# KiCad board Electronics V2.kicad_pcb
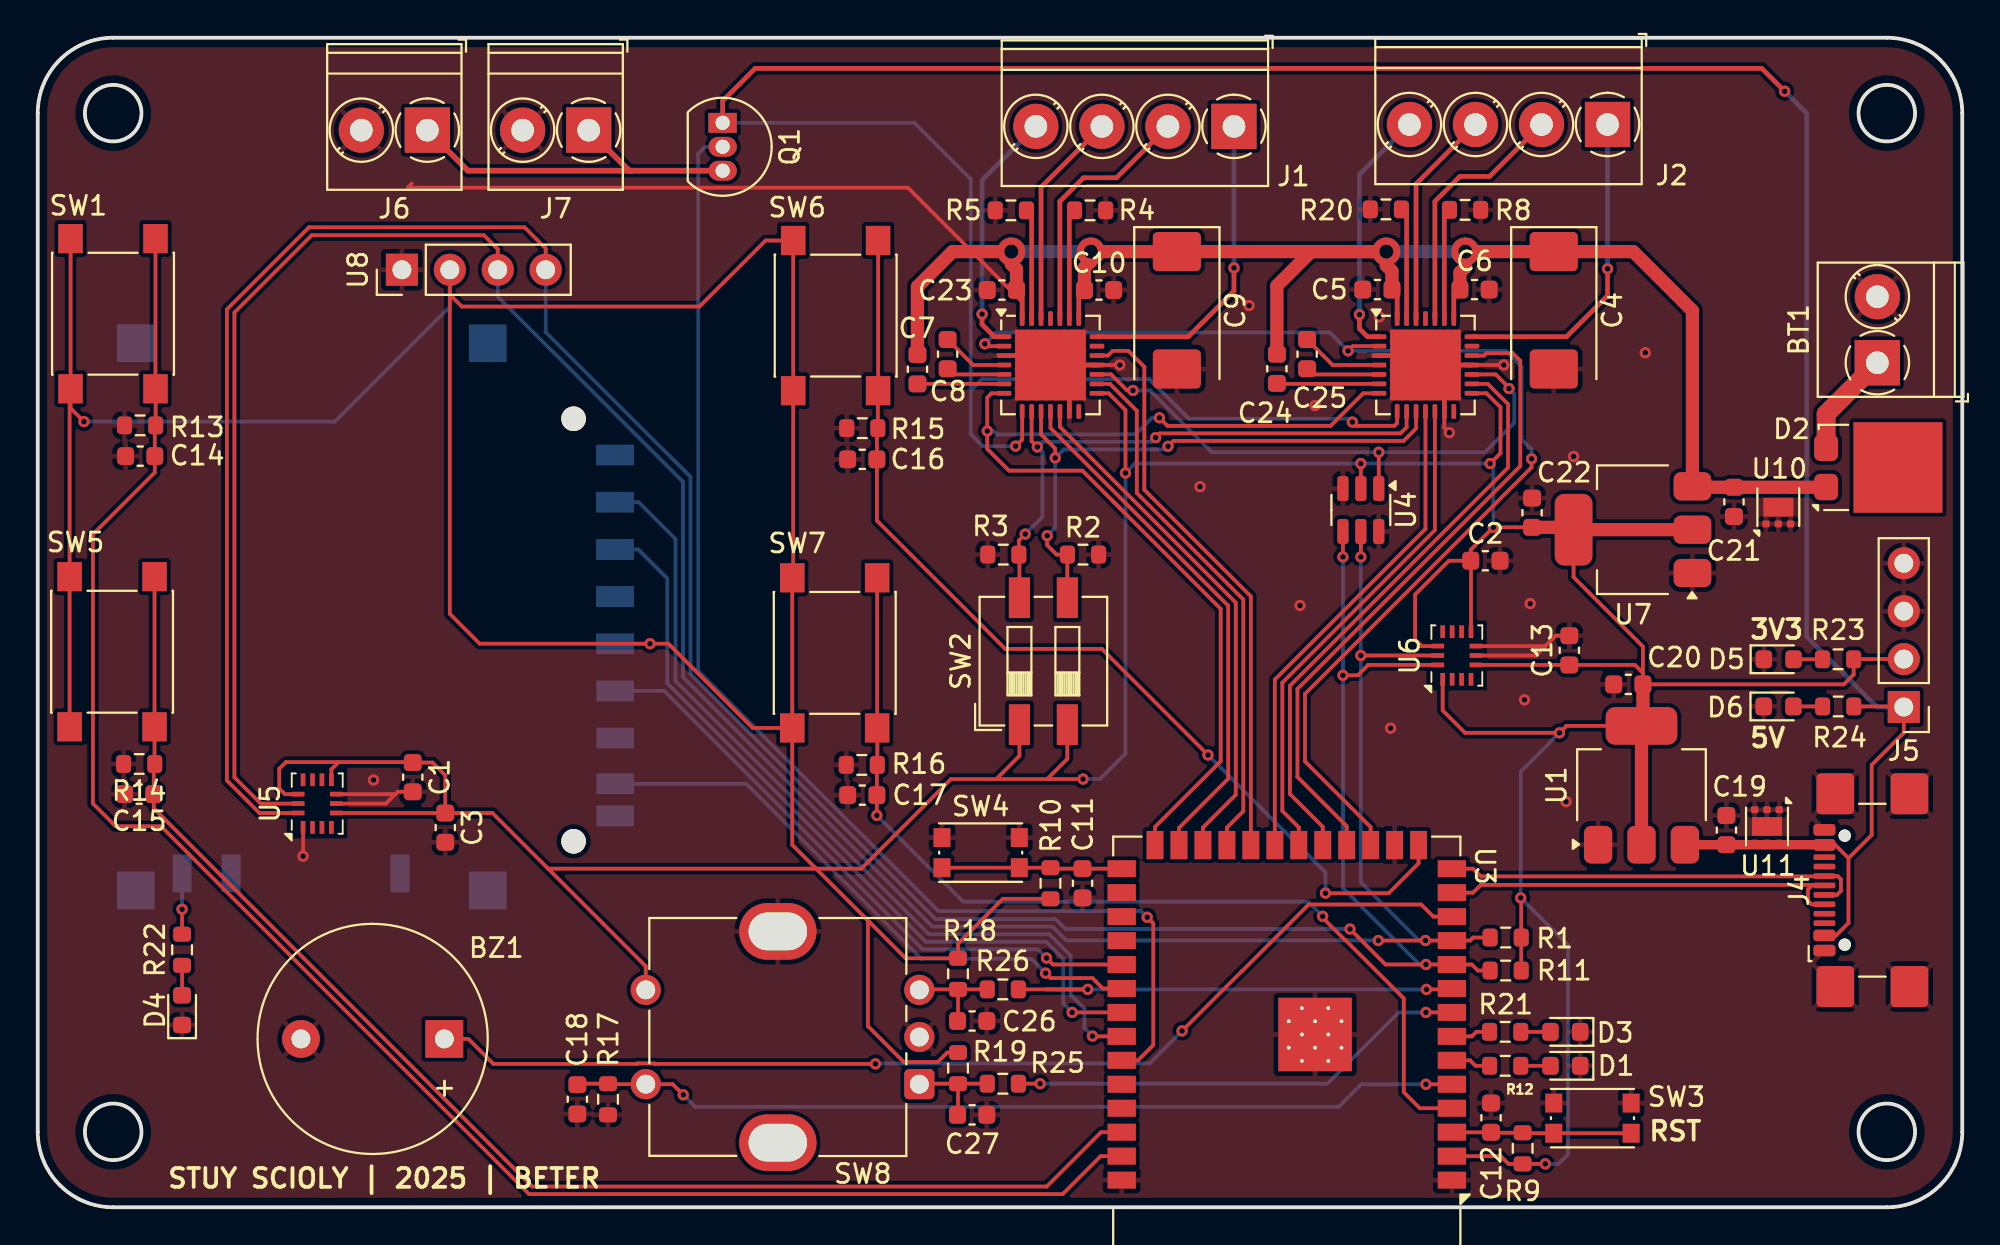
[diagram p0: board, top side]
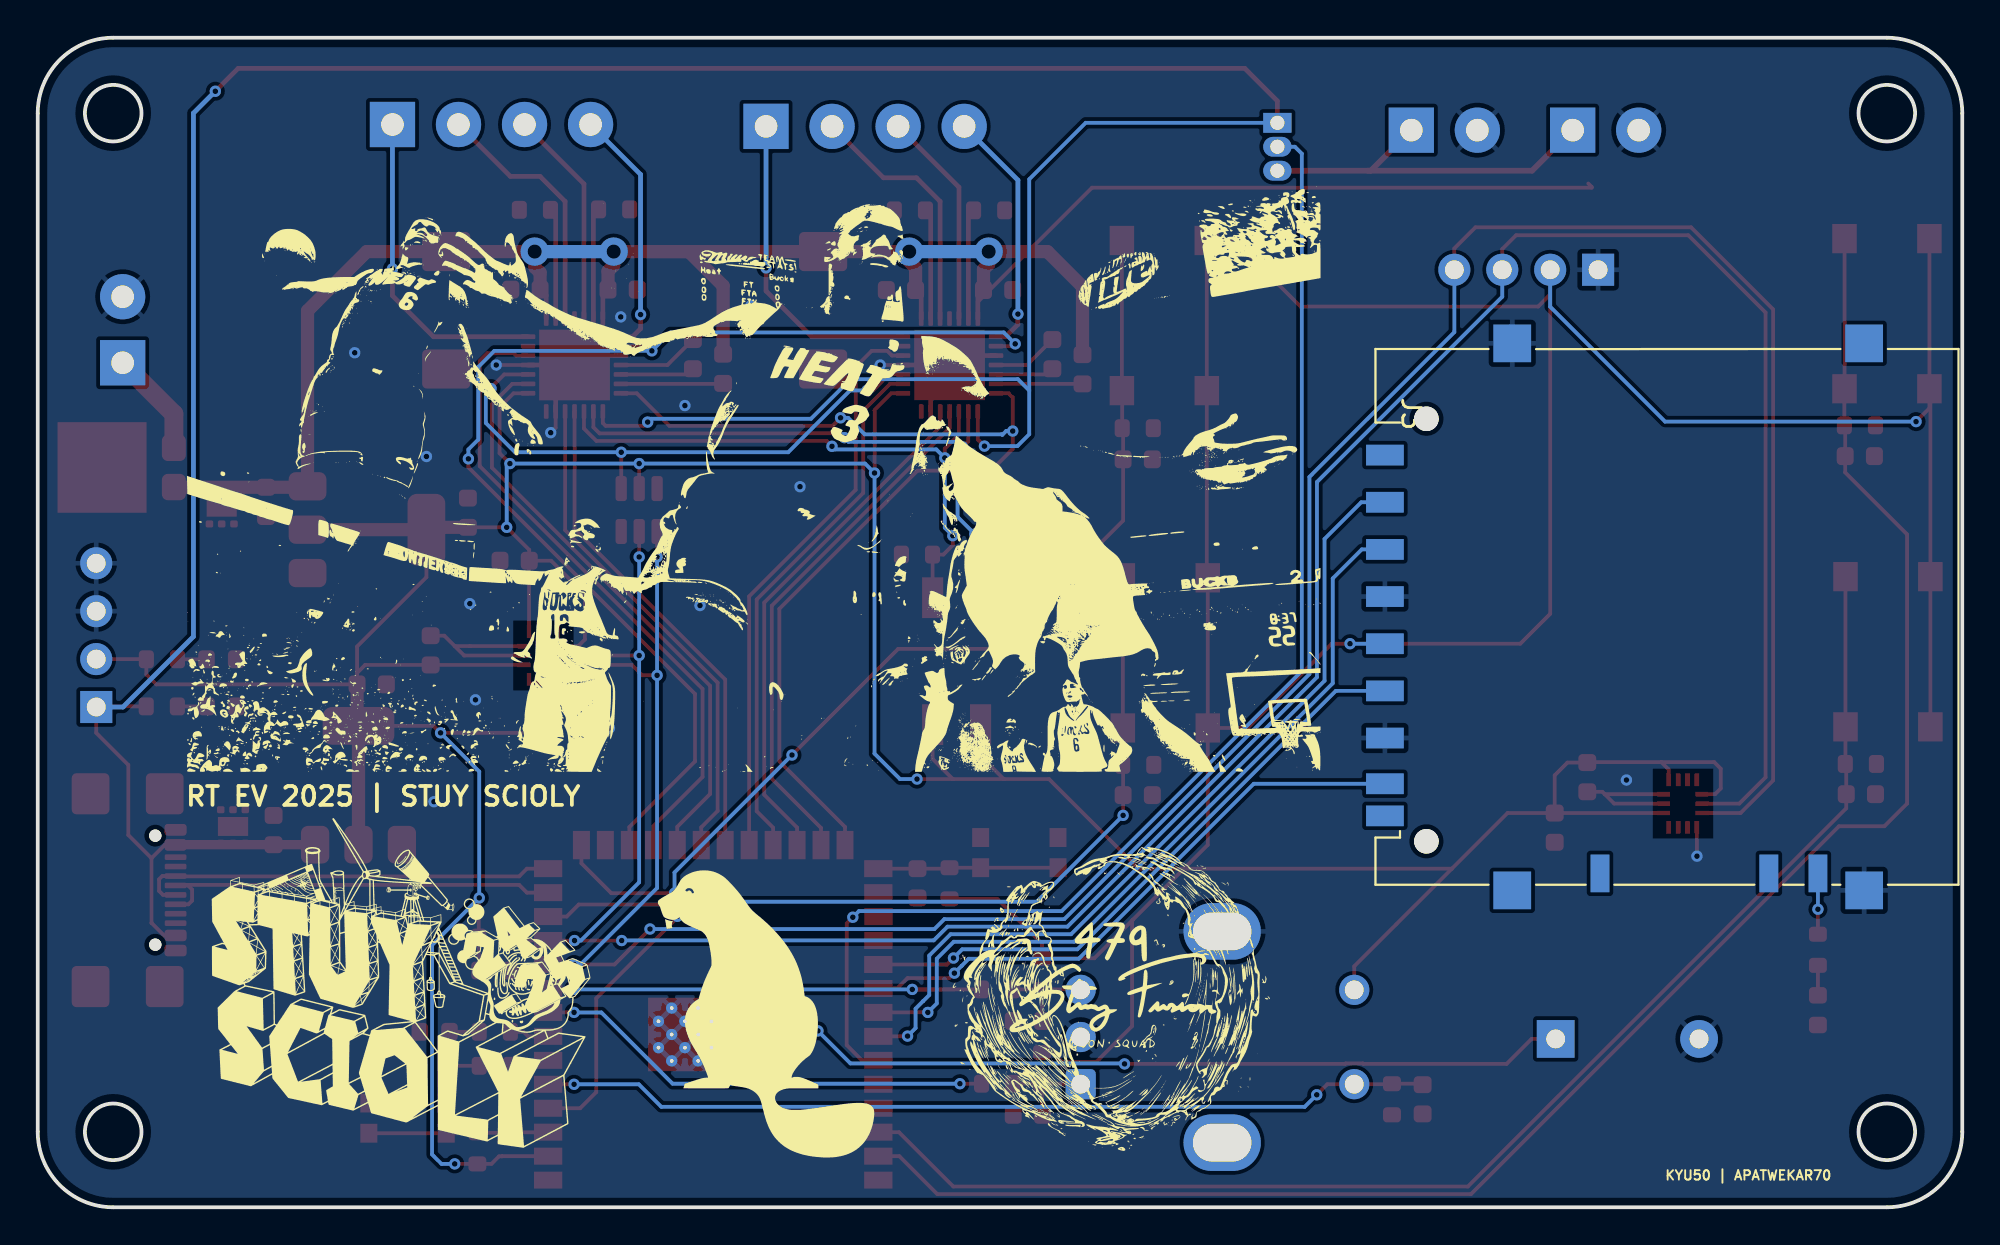
[diagram p1: board, bottom side, seen from below]

Outline 102 x 62 mm; copper layers: Top, Bottom. Coordinates in mm from the lower left corner of the outline.
Outline path: circle c4,58 r1.5 ; circle c4,4 r1.5 ; circle c98,58 r1.5 ; circle c98,4 r1.5 ; 0,58 arc(1.17,60.83) 4,62 98,62 arc(100.83,60.83) 102,58 102,4 arc(100.83,1.17) 98,0 4,0 arc(1.17,1.17) 0,4 0,58

## Placement (name value [footprint] x y rotation side)
BT1  Battery  [TerminalBlock_Phoenix_PT-1,5-2-3.5-H_1x02_P3.50mm_Horizontal]  97.5 44.77 90 top
BZ1  Buzzer  [Buzzer_12x9.5RM7.6]  21.55 8.92 180 top
C1  100n  [C_0603_1608Metric]  19.88 22.8 270 top
C2  100n  [C_0603_1608Metric]  76.72 34.28 0 top
C3  100n  [C_0603_1608Metric]  21.6 20.12 270 top
C4  100u  [CP_EIA-7343-30_AVX-N]  80.35 47.55 270 top
C5  100n  [C_0603_1608Metric]  71 48.65 180 top
C6  100n  [C_0603_1608Metric]  76.15 48.65 0 top
C7  100n  [C_0603_1608Metric]  46.62 44.42 270 top
C8  22n  [C_0603_1608Metric]  48.22 45.22 270 top
C9  100u  [CP_EIA-7343-30_AVX-N]  60.38 47.55 270 top
C10  100n  [C_0603_1608Metric]  56.25 48.62 0 top
C11  100n  [C_0603_1608Metric]  55.38 17.17 270 top
C12  100n  [C_0603_1608Metric]  77.03 4.75 90 top
C13  100n  [C_0603_1608Metric]  81.18 29.53 90 top
C14  100n  [C_0603_1608Metric]  5.43 39.82 180 top
C15  100n  [C_0603_1608Metric]  5.38 21.9 180 top
C16  100n  [C_0603_1608Metric]  43.7 39.65 180 top
C17  100n  [C_0603_1608Metric]  43.7 21.85 180 top
C18  100n  [C_0603_1608Metric]  28.6 5.72 270 top
C19  10u  [C_0603_1608Metric]  89.5 20 90 top
C20  10u  [C_0603_1608Metric]  84.3 27.72 180 top
C21  10u  [C_0603_1608Metric]  89.9 37.39 270 top
C22  10u  [C_0603_1608Metric]  79.2 36.82 90 top
C23  100n  [C_0603_1608Metric]  51.1 48.62 180 top
C24  100n  [C_0603_1608Metric]  65.68 44.45 270 top
C25  22n  [C_0603_1608Metric]  67.28 45.22 270 top
C26  10n  [C_0603_1608Metric]  49.53 9.88 0 top
C27  10n  [C_0603_1608Metric]  49.53 4.9 0 top
D1  STATUS_LED  [LED_0603_1608Metric]  80.96 7.5 180 top
D2  D_Schottky  [TO-277A]  97.55 39.22 90 top
D3  LED_0  [LED_0603_1608Metric]  80.96 9.3 180 top
D4  LED_SD  [LED_0603_1608Metric]  7.65 10.45 90 top
D5  LED_3V3  [LED_0603_1608Metric]  92.27 29.05 0 top
D6  LED_5V  [LED_0603_1608Metric]  92.26 26.55 0 top
G***  -  [LOGO]  63.33 10.26 180 bottom
G***#2  -  [LOGO]  82.8 11.85 180 bottom
G***#3  -  [LOGO]  45.11 11.43 180 bottom
G***#4  -  [LOGO]  64.05 38.85 180 bottom
J1  MOT_L  [TerminalBlock_Phoenix_PT-1,5-4-3.5-H_1x04_P3.50mm_Horizontal]  63.4 57.3 180 top
J2  MOT_R  [TerminalBlock_Phoenix_PT-1,5-4-3.5-H_1x04_P3.50mm_Horizontal]  83.2 57.4 180 top
J3  SD_Card  [SD_Hirose_DM1AA_SF_PEJ82]  15.65 31.3 90 bottom
J4  USB_C_Receptacle_USB2.0_14P  [USB_C_Receptacle_GCT_USB4110]  98.38 16.81 90 top
J5  Power Probes  [PinHeader_1x04_P2.54mm_Vertical]  98.9 26.52 180 top
J6  L1  [TerminalBlock_Phoenix_PT-1,5-2-3.5-H_1x02_P3.50mm_Horizontal]  20.65 57.1 180 top
J7  L2  [TerminalBlock_Phoenix_PT-1,5-2-3.5-H_1x02_P3.50mm_Horizontal]  29.2 57.1 180 top
Q1  BC547  [TO-92_Inline]  36.3 57.49 270 top
R1  10k  [R_0603_1608Metric]  77.8 14.3 180 top
R2  10k  [R_0603_1608Metric]  55.4 34.6 0 top
R3  10k  [R_0603_1608Metric]  51.18 34.6 180 top
R4  330m  [R_0603_1608Metric]  55.78 52.85 0 top
R5  330m  [R_0603_1608Metric]  51.57 52.85 180 top
R8  330m  [R_0603_1608Metric]  75.65 52.88 0 top
R9  10k  [R_0603_1608Metric]  78.7 3.12 90 top
R10  10k  [R_0603_1608Metric]  53.68 17.17 90 top
R11  10k  [R_0603_1608Metric]  77.8 12.55 180 top
R12  1k  [R_0603_1608Metric]  77.78 7.5 180 top
R13  10k  [R_0603_1608Metric]  5.42 41.45 180 top
R14  10k  [R_0603_1608Metric]  5.38 23.5 180 top
R15  10k  [R_0603_1608Metric]  43.7 41.3 180 top
R16  10k  [R_0603_1608Metric]  43.68 23.45 180 top
R17  10k  [R_0603_1608Metric]  30.22 5.72 270 top
R18  10k  [R_0603_1608Metric]  48.78 12.38 270 top
R19  10k  [R_0603_1608Metric]  48.78 7.38 270 top
R20  330m  [R_0603_1608Metric]  71.45 52.9 180 top
R21  1k  [R_0603_1608Metric]  77.78 9.3 180 top
R22  1k  [R_0603_1608Metric]  7.65 13.65 90 top
R23  1k  [R_0603_1608Metric]  95.42 29.05 0 top
R24  1.5k  [R_0603_1608Metric]  95.43 26.55 0 top
R25  10k  [R_0603_1608Metric]  51.15 6.55 0 top
R26  10k  [R_0603_1608Metric]  51.15 11.55 0 top
SW1  BTN_0  [SW_SPST_PTS645]  3.99 47.37 90 top
SW2  MSTP_SEL  [SW_DIP_SPSTx02_Slide_6.7x6.64mm_W6.73mm_P2.54mm_LowProfile_JPin]  53.3 28.95 90 top
SW3  RST  [SW_Push_1P1T_NO_CK_KMR2]  82.4 4.72 0 top
SW4  BOOT  [SW_Push_1P1T_NO_CK_KMR2]  49.97 18.8 0 top
SW5  BTN_1  [SW_SPST_PTS645]  3.94 29.45 90 top
SW6  BTN_2  [SW_SPST_PTS645]  42.29 47.27 90 top
SW7  BTN_3  [SW_SPST_PTS645]  42.24 29.39 90 top
SW8  INCR_0  [RotaryEncoder_Bourns_Vertical_PEC12R-3x17F-Sxxxx]  46.72 6.53 180 top
U1  NCP1117-3.3_SOT223  [SOT-223-3_TabPin2]  85 22.37 90 top
U2  TMC2209  [QFN-28-1EP_5x5mm_P0.5mm_EP3.75x3.75mm]  53.68 44.65 0 top
U3  -  [ESP32-S3-WROOM-1]  66.2 6.7 180 top
U4  DAC081C081CIMK  [SOT-23-6]  70.12 36.96 270 top
U5  IMU_L  [Bosch_LGA-14_3x2.5mm_P0.5mm]  14.81 21.4 90 top
U6  IMU_R  [Bosch_LGA-14_3x2.5mm_P0.5mm]  75.21 29.25 90 top
U7  NCP1117-3.3_SOT223  [SOT-223-3_TabPin2]  84.55 35.92 180 top
U8  SSD1036  [PinHeader_1x04_P2.54mm_Vertical]  19.3 49.7 90 top
U9  TMC2209  [QFN-28-1EP_5x5mm_P0.5mm_EP3.75x3.75mm]  73.55 44.65 0 top
U10  TVS1400DRV  [WSON-6-1EP_2x2mm_P0.65mm_EP1x1.6mm]  92.25 37.11 90 top
U11  TVS1400DRV  [WSON-6-1EP_2x2mm_P0.65mm_EP1x1.6mm]  91.65 20.19 270 top

## Library data of the parts
BZ1 = -: Description: Buzzer, polarized; ki_fp_filters: *Buzzer*
C1-C3 C5-C7 C10-C18 C23 C24 C26 C27 = -: Description: Unpolarized capacitor; ki_fp_filters: C_*
C4 C9 = -: Description: Polarized capacitor; ki_fp_filters: CP_*
C8 C25 = -: Description: Unpolarized capacitor, small symbol; ki_fp_filters: C_*
C19-C22 = -: ki_fp_filters: CP_*
D1 D3-D6 = -: Description: Light emitting diode; ki_fp_filters: LED* LED_SMD:* LED_THT:*
D2 = -: Description: Schottky diode; ki_fp_filters: TO-???* *_Diode_* *SingleDiode* D_*
J1 J2 = -: Description: Generic screw terminal, single row, 01x04, script generated (kicad-library-utils/schlib/autogen/connector/); ki_fp_filters: TerminalBlock*:*
J3 = -: Datasheet: http://portal.fciconnect.com/Comergent//fci/drawing/10067847.pdf; Description: SD Card Reader; ki_fp_filters: SD*
J4 = -: Datasheet: https://www.usb.org/sites/default/files/documents/usb_type-c.zip; Description: USB 2.0-only 14P Type-C Receptacle connector; ki_fp_filters: USB*C*Receptacle*
J5 = -: Description: Generic connector, single row, 01x04, script generated; ki_fp_filters: Connector*:*_1x??_*
J6 J7 = -: Description: Generic screw terminal, single row, 01x02, script generated (kicad-library-utils/schlib/autogen/connector/); ki_fp_filters: TerminalBlock*:*
Q1 = -: Datasheet: https://www.onsemi.com/pub/Collateral/BC550-D.pdf; Description: 0.1A Ic, 45V Vce, Small Signal NPN Transistor, TO-92; ki_fp_filters: TO?92*
R1-R5 R8-R26 = -: Description: Resistor; ki_fp_filters: R_*
SW1 SW3-SW7 = -: Description: Push button switch, generic, two pins
SW2 = -: Description: 2x DIP Switch, Single Pole Single Throw (SPST) switch, small symbol; ki_fp_filters: SW?DIP?x2*
SW8 = -: Description: Rotary encoder, dual channel, incremental quadrate outputs, with switch; ki_fp_filters: RotaryEncoder*Switch*
U1 U7 = -: Datasheet: http://www.onsemi.com/pub_link/Collateral/NCP1117-D.PDF; ki_fp_filters: SOT?223*TabPin2*
U2 U9 = -: Datasheet: https://www.digikey.com/en/products/detail/analog-devices-inc-maxim-integrated/TMC2209-LA-T/10232491
U3 = -: Datasheet: https://www.espressif.com/sites/default/files/documentation/esp32-s3-wroom-1_wroom-1u_datasheet_en.pdf; Description: RF Module, ESP32-S3 SoC, Wi-Fi 802.11b/g/n, Bluetooth, BLE, 32-bit, 3.3V, onboard antenna, SMD; ki_fp_filters: ESP32?S3?WROOM?1*
U4 = -: Datasheet: http://www.ti.com/lit/ds/symlink/dac081c081.pdf; Description: 8-bit Micropower DAC with I2C-Compatible Interface, SOT-23-6; ki_fp_filters: SOT?23*
U5 U6 = -: Datasheet: https://www.bosch-sensortec.com/media/boschsensortec/downloads/datasheets/bst-bmi270-ds000.pdf
U10 U11 = -: Datasheet: http://www.ti.com/lit/ds/symlink/tvs1400.pdf; Description: Flat-Clamp Surge Protection Device. 14Vrwm, WSON-6; ki_fp_filters: WSON*1EP*2x2mm*P0.65mm*EP1x1.6mm*

## Footprints (pads in the part's own frame, mm; a bottom-side part is the same pattern mirrored in y, then rotated)
Bosch_LGA-14_3x2.5mm_P0.5mm
  rect 0.675x0.25 smd: 1(-1.262,0.75) 2(-1.262,0.25) 3(-1.262,-0.25) 4(-1.262,-0.75) 8(1.262,-0.75) 9(1.262,-0.25) 10(1.262,0.25) 11(1.262,0.75)
  rect 0.25x0.675 smd: 5(-0.5,-1.012) 6(0,-1.012) 7(0.5,-1.012) 12(0.5,1.012) 13(0,1.012) 14(-0.5,1.012)
Buzzer_12x9.5RM7.6
  rect 2x2 hole 1: 1(0,0)
  round 2 hole 1: 2(7.6,0)
C_0603_1608Metric
  rrect 0.9x0.95 smd: 1(-0.775,0) 2(0.775,0)
CP_EIA-7343-30_AVX-N
  rrect 2.075x2.55 smd: 1(-3.112,0) 2(3.112,0)
ESP32-S3-WROOM-1
  rect 0.9x0.9 smd: (-2.9,-1.06) (-2.9,-2.46) (-2.9,-3.86) (-1.5,-1.06) (-1.5,-2.46) (-1.5,-3.86) (-0.1,-1.06) (-0.1,-2.46) (-0.1,-3.86)
  rect 1.5x0.9 smd: 1(-8.75,5.26) 2(-8.75,3.99) 3(-8.75,2.72) 4(-8.75,1.45) 5(-8.75,0.18) 6(-8.75,-1.09) 7(-8.75,-2.36) 8(-8.75,-3.63) 9(-8.75,-4.9) 10(-8.75,-6.17) 11(-8.75,-7.44) 12(-8.75,-8.71) 13(-8.75,-9.98) 14(-8.75,-11.25) 27(8.75,-11.25) 28(8.75,-9.98) 29(8.75,-8.71) 30(8.75,-7.44) 31(8.75,-6.17) 32(8.75,-4.9) 33(8.75,-3.63) 34(8.75,-2.36) 35(8.75,-1.09) 36(8.75,0.18) 37(8.75,1.45) 38(8.75,2.72) 39(8.75,3.99) 40(8.75,5.26)
  rect 0.9x1.5 smd: 15(-6.985,-12.5) 16(-5.715,-12.5) 17(-4.445,-12.5) 18(-3.175,-12.5) 19(-1.905,-12.5) 20(-0.635,-12.5) 21(0.635,-12.5) 22(1.905,-12.5) 23(3.175,-12.5) 24(4.445,-12.5) 25(5.715,-12.5) 26(6.985,-12.5)
  round 0.6 hole 0.2: 41(-2.9,-1.76) 41(-2.9,-3.16) 41(-2.2,-1.06) 41(-2.2,-2.46) 41(-2.2,-3.86) 41(-1.5,-1.76) 41(-1.5,-3.16) 41(-0.8,-1.06) 41(-0.8,-2.46) 41(-0.8,-3.86) 41(-0.1,-1.76) 41(-0.1,-3.16)
  rect 3.9x3.9 smd: 41(-1.5,-2.46)
LED_0603_1608Metric
  rrect 0.875x0.95 smd: 1(-0.787,0) 2(0.787,0)
PinHeader_1x04_P2.54mm_Vertical
  rect 1.7x1.7 hole 1: 1(0,0)
  oval 1.7x1.7 hole 1: 2(0,-2.54) 3(0,-5.08) 4(0,-7.62)
QFN-28-1EP_5x5mm_P0.5mm_EP3.75x3.75mm
  rrect 1.01x1.01 smd: (-1.25,1.25) (-1.25,0) (-1.25,-1.25) (0,1.25) (0,0) (0,-1.25) (1.25,1.25) (1.25,0) (1.25,-1.25)
  rrect 0.775x0.25 smd: 1(-2.462,1.5) 2(-2.462,1) 3(-2.462,0.5) 4(-2.462,0) 5(-2.462,-0.5) 6(-2.462,-1) 7(-2.462,-1.5) 15(2.462,-1.5) 16(2.462,-1) 17(2.462,-0.5) 18(2.462,0) 19(2.462,0.5) 20(2.462,1) 21(2.462,1.5)
  rrect 0.25x0.775 smd: 8(-1.5,-2.462) 9(-1,-2.462) 10(-0.5,-2.462) 11(0,-2.462) 12(0.5,-2.462) 13(1,-2.462) 14(1.5,-2.462) 22(1.5,2.462) 23(1,2.462) 24(0.5,2.462) 25(0,2.462) 26(-0.5,2.462) 27(-1,2.462) 28(-1.5,2.462)
  rect 3.75x3.75 smd: 29(0,0)
R_0603_1608Metric
  rrect 0.8x0.95 smd: 1(-0.825,0) 2(0.825,0)
RotaryEncoder_Bourns_Vertical_PEC12R-3x17F-Sxxxx
  rrect 1.6x1.6 hole 1: A(0,0)
  round 1.6 hole 1: B(0,-5) C(0,-2.5) S1(14.5,0) S2(14.5,-5)
  oval 4.1x3 hole 3.1x2: GND(7.5,3.1) SH(7.5,-8.1)
SD_Hirose_DM1AA_SF_PEJ82
  round 1.3 hole 1.3 unplated: (-11.9,12.75) (10.5,12.75)
  rect 1.1x2 smd: 1(6.075,14.95) 2(3.575,14.95) 3(1.075,14.95) 4(-1.425,14.95) 5(-3.925,14.95) 6(-6.425,14.95) 7(-8.85,14.95) 8(-10.55,14.95) 9(8.575,14.95)
  rect 2x1 smd: CP(-13.6,3.55) SW(-13.6,-8) WP(-13.6,-5.4)
  rect 2x2 smd: SH(-14.5,-10.45) SH(-14.5,8.2) SH(14.5,-10.45) SH(14.5,8.2)
SOT-23-6
  rrect 1.325x0.6 smd: 1(-1.137,0.95) 2(-1.137,0) 3(-1.137,-0.95) 4(1.137,-0.95) 5(1.137,0) 6(1.137,0.95)
SOT-223-3_TabPin2
  rrect 2x1.5 smd: 1(-3.15,2.3) 2(-3.15,0) 3(-3.15,-2.3)
  rrect 2x3.8 smd: 2(3.15,0)
SW_DIP_SPSTx02_Slide_6.7x6.64mm_W6.73mm_P2.54mm_LowProfile_JPin
  rect 2.16x1.12 smd: 1(-3.365,1.27) 2(-3.365,-1.27) 3(3.365,-1.27) 4(3.365,1.27)
SW_Push_1P1T_NO_CK_KMR2
  rect 0.9x1 smd: 1(-2.05,0.8) 1(2.05,0.8) 2(-2.05,-0.8) 2(2.05,-0.8)
SW_SPST_PTS645
  rect 1.55x1.3 smd: 1(-3.98,2.25) 1(3.98,2.25) 2(-3.98,-2.25) 2(3.98,-2.25)
TerminalBlock_Phoenix_PT-1,5-2-3.5-H_1x02_P3.50mm_Horizontal
  rect 2.4x2.4 hole 1.2: 1(0,0)
  round 2.4 hole 1.2: 2(3.5,0)
TerminalBlock_Phoenix_PT-1,5-4-3.5-H_1x04_P3.50mm_Horizontal
  rect 2.4x2.4 hole 1.2: 1(0,0)
  round 2.4 hole 1.2: 2(3.5,0) 3(7,0) 4(10.5,0)
TO-92_Inline
  rect 1.05x1.5 hole 0.75: 1(0,0)
  oval 1.05x1.5 hole 0.75: 2(1.27,0) 3(2.54,0)
TO-277A
  rrect 1.25x1.2 smd: (-1.7,0.65) (-1.7,-1.04) (-1.7,-2.7) (0,0.65) (0,-1.04) (0,-2.7) (1.7,0.65) (1.7,-1.04) (1.7,-2.7)
  rrect 1.4x1.27 smd: 1(-1.04,2.765) 2(1.04,2.765)
  rect 4.8x4.72 smd: 3(0,-1.04)
USB_C_Receptacle_GCT_USB4110
  round 0.65 hole 0.65 unplated: (-2.89,2.605) (2.89,2.605)
  rrect 0.6x1.15 smd: A1(-3.2,3.68) A4(-2.4,3.68) A9(2.4,3.68) A12(3.2,3.68) B1(3.2,3.68) B4(2.4,3.68) B9(-2.4,3.68) B12(-3.2,3.68)
  rrect 0.3x1.15 smd: A5(-1.25,3.68) A6(-0.25,3.68) A7(0.25,3.68) A8(1.25,3.68) B5(1.75,3.68) B6(0.75,3.68) B7(-0.75,3.68) B8(-1.75,3.68)
  rrect 2.18x2 smd: S1(-5.11,3.105) S1(-5.11,-0.825) S1(5.11,3.105) S1(5.11,-0.825)
WSON-6-1EP_2x2mm_P0.65mm_EP1x1.6mm
  rrect 0.81x0.64 smd: (0,0.4) (0,-0.4)
  rrect 0.375x0.4 smd: 1(-0.887,0.65) 2(-0.887,0) 3(-0.887,-0.65) 4(0.887,-0.65) 5(0.887,0) 6(0.887,0.65)
  rect 1x1.6 smd: 7(0,0)

## Nets
+3V3: C1.1 C2.1 C3.1 C13.1 C20.1 C22.1 J3.4 J5.2 R1.1 R9.1 R10.1 R11.1 R18.1 R19.1 R23.2 SW1.1 SW2.1 SW2.2 SW5.1 SW6.1 SW7.1 SW8.S2 U1.2 U2.15 U3.2 U4.2 U5.5 U5.8 U5.12 U6.1 U6.5 U6.8 U6.12 U7.2 U8.2 U9.15
+5V: C19.1 J4.A4 J4.A9 J4.B4 J4.B9 J5.1 Q1.1 R24.2 U1.3 U2.8 U9.8 U11.4 U11.5 U11.6
GND: BT1.2 BZ1.2 C1.2 C2.2 C3.2 C4.2 C5.2 C6.2 C9.2 C10.2 C11.2 C12.2 C13.2 C14.2 C15.2 C16.2 C17.2 C18.2 C19.2 C20.2 C21.2 C22.2 C23.2 C26.2 C27.2 D1.1 D3.1 D4.1 D5.1 D6.1 J3.3 J3.6 J3.SH J4.A1 J4.A12 J4.B1 J4.B12 J4.S1 J5.3 J5.4 J6.2 J7.2 R2.2 R3.2 R4.2 R5.2 R8.2 R13.2 R14.2 R15.2 R16.2 R17.2 R20.2 SW3.1 SW4.1 SW8.C SW8.SH U1.1 U2.3 U2.13 U2.18 U2.29 U3.1 U3.16 U3.40 U3.41 U4.3 U4.6 U5.1 U5.6 U5.7 U6.6 U6.7 U7.1 U8.1 U9.3 U9.13 U9.18 U9.29 U10.1 U10.2 U10.3 U10.7 U11.1 U11.2 U11.3 U11.7
VBAT: C4.1 C5.1 C6.1 C7.1 C9.1 C10.1 C21.1 C23.1 C24.1 D2.1 U2.22 U2.28 U7.3 U9.22 U9.28 U10.4 U10.5 U10.6
/BTN_0: C14.1 R13.1 SW1.2 U3.39
/BTN_1: C15.1 R14.1 SW5.2 U3.38
/BTN_2: C16.1 R15.1 SW6.2 U3.15
/BTN_3: C17.1 R16.1 SW7.2 U3.4
/BUZZER: BZ1.1 U3.12
/CS_SD: J3.1 U3.34
/D+: J4.A6 J4.B6 U3.14
/D-: J4.A7 J4.B7 U3.13
/DIAG_L: U2.11 U3.25
/DIAG_R: U3.21 U9.11
/DIR_L: U2.19 U3.22
/DIR_R: U3.18 U9.19
/INCR_A: R25.2 U3.8
/INCR_B: R26.2 U3.9
/INCR_BTN: C18.1 R17.1 SW8.S1 U3.5
/INDEX_L: U2.12 U3.24
/INDEX_R: U3.20 U9.12
/LASER: Q1.2 U3.35
/MISO: J3.7 U3.32
/MOSI: J3.2 U3.33
/Motor Driver_L/A1: J1.2 U2.24
/Motor Driver_L/A2: J1.1 U2.21
/Motor Driver_L/B1: J1.3 U2.26
/Motor Driver_L/B2: J1.4 U2.1
/Motor Driver_L/MS1_AD0: R3.1 SW2.4 U2.9 U9.9
/Motor Driver_L/MS1_AD1: R2.1 SW2.3 U2.10 U9.10
/Motor Driver_R/A1: J2.2 U9.24
/Motor Driver_R/A2: J2.1 U9.21
/Motor Driver_R/B1: J2.3 U9.26
/Motor Driver_R/B2: J2.4 U9.1
/SCL: R1.2 U3.11 U4.5 U5.13 U6.13 U8.3
/SCLK: J3.5 U3.31
/SD_DETECT: J3.SW R22.2
/SDA: R11.2 U3.10 U4.4 U5.14 U6.14 U8.4
/SPREAD: U2.7 U3.26 U9.7
/STEP_L: U2.16 U3.23
/STEP_R: U3.19 U9.16
/VREF: U2.17 U4.1 U9.17
/~{EN}: U2.2 U3.17 U9.2
Net-(BT1-+): BT1.1 D2.2
Net-(C26-Pad1): C26.1 R18.2 R26.1 SW8.B
Net-(C27-Pad1): C27.1 R19.2 R25.1 SW8.A
Net-(D1-A): D1.2 R12.1
Net-(D3-A): D3.2 R21.1
Net-(D4-A): D4.2 R22.1
Net-(D5-A): D5.2 R23.1
Net-(D6-A): D6.2 R24.1
Net-(J6-Pin_1): J6.1 J7.1 Q1.3
Net-(U2-BRA): R4.1 U2.23
Net-(U2-BRB): R5.1 U2.27
Net-(U2-CPI): C8.2 U2.5
Net-(U2-CPO): C8.1 U2.4
Net-(U2-VCP): C7.2 U2.6
Net-(U3-EN): C12.1 R9.2 SW3.2 U3.3
Net-(U3-IO0): C11.1 R10.2 SW4.2 U3.27
Net-(U3-IO6): R12.2 U3.6
Net-(U3-IO7): R21.2 U3.7
Net-(U9-BRA): R8.1 U9.23
Net-(U9-BRB): R20.1 U9.27
Net-(U9-CPI): C25.2 U9.5
Net-(U9-CPO): C25.1 U9.4
Net-(U9-VCP): C24.2 U9.6

Pads without a net: D2 3; J3 8 9 CP WP; J4 A5 A8 B5 B8; SW8 GND; U2 14 20 25; U3 28 29 30 36 37; U5 2 3 4 9 10 11; U6 2 3 4 9 10 11; U9 14 20 25

## Via types
v1: diameter 1.5, hole 0.75, Top to Bottom, 4 vias
v2: diameter 0.6, hole 0.3, Top to Bottom, 73 vias

## Routing (per net, layer and track width the routed paths; a pad name or vN(x,y) marks a point on that pad's centre or on a via; arc(x,y) is an arc through that point)
+3V3: length 414.7
  Top w0.2: C3.1 24.1,20.9 27.05,17.95 ; C3.1 21.6,22.9 20.92,23.58 C1.1 19.85,23.6 15.95,23.6 ; C3.1 U5.5 ; U4.2 v2(70.12,39.42) ; v2(55.4,22.7) 53.5,22.7 ; 53.5,22.7 54.57,23.77 54.57,25.58 ; 53.5,22.7 50.8,22.7 ; 50.8,22.7 52.03,23.93 52.03,25.58 ; 50.8,22.7 48.4,22.7 43.65,17.95 41.25,17.95 ; 15.95,23.6 15.56,23.21 U5.8 ; 15.95,23.6 13.15,23.6 12.8,23.25 12.8,22.2 13.1,21.9 U5.12 ; SW1.1 SW1.1 ; SW1.1 1.74,42.36 v2(2.45,41.65) ; SW1.1 1.69,43.34 SW5.1 SW5.1 ; 41.25,17.95 39.99,19.21 SW7.1 ; 41.25,17.95 43.95,15.25 ; 41.25,17.95 27.05,17.95 ; SW8.S2 32.22,12.78 27.05,17.95 ; U6.1 74.46,26.34 75.65,25.15 v2(80.65,25.15) 81.02,25.52 U1.2 ; U2.15 56.76,43.15 57.65,42.26 v2(57.65,38.92) ; 21.84,48.39 U8.2 21.84,31.46 23.42,29.88 v2(32.45,29.88) 33.43,29.88 37.89,25.41 SW7.1 ; 21.84,48.39 22.47,47.75 35.07,47.75 38.57,51.25 SW6.1 SW6.1 40.04,33.74 39.99,33.69 SW7.1 SW7.1 ; 21.84,48.39 21.89,48.34 ; J5.2 96.25,29.06 R23.2 96.24,28.24 95.72,27.72 C20.1 ; U3.2 77.39,2.71 77.4,2.7 77.55,2.7 77.95,2.3 R9.1 v2(79.9,2.3) ; C20.1 85.07,28.33 84.65,28.75 C13.1 U6.5 ; C20.1 85.07,29.72 81.4,33.4 U7.2 ; R11.1 R1.1 78.62,16.38 v2(78.6,16.4) ; 48.5,7.92 R19.1 48.2,8.2 47.7,7.7 45.9,7.7 44,9.6 44,15.2 43.95,15.25 ; C2.1 74.79,34.28 73,32.48 73,30.1 73.35,29.75 U6.12 ; C2.1 75.96,34.26 U6.8 ; C2.1 75.95,34.85 v2(77.15,36.05) C22.1 ; 43.95,15.25 46,13.2 R18.1 48.78,13.97 51.15,16.35 R10.1 ; U9.15 76.78,43.15 77.53,42.41 77.53,39.97 v2(76.97,39.42)
  Top w0.7: C20.1 85.07,25.59 U1.2 U1.2 ; C22.1 81.28,36.05 U7.2 U7.2
  Bottom w0.2: v2(77.15,36.05) 77.15,39.25 v2(76.97,39.42) v2(70.12,39.42) 58.15,39.42 v2(57.65,38.92) 57.65,24.05 56.3,22.7 v2(55.4,22.7) ; U8.2 21.84,47.74 15.75,41.65 v2(2.45,41.65) ; v2(80.65,25.15) 78.6,23.1 v2(78.6,16.4) 81.1,13.9 81.1,2.8 80.6,2.3 v2(79.9,2.3) ; J3.4 v2(32.45,29.88)
+5V: length 177.7
  Top w0.2: U9.8 72.05,41.58 71.9,41.42 69.88,41.42 v2(69.68,41.62) ; U2.8 52.18,40.7 v2(51.82,40.35) ; 95.97,18.5 95.26,19.21 J4.A9 94.11,19.21 ; 95.97,18.5 97.2,19.73 97.2,23.45 98.9,25.15 J5.1 98.87,26.55 R24.2 ; 95.97,18.5 95.97,15.07 95.97,15.07 95.31,14.41 J4.A4
  Top w0.25: Q1.1 36.3,58.65 38.03,60.38 91.38,60.38 v2(92.59,59.16)
  Top w0.5: U1.3 C19.1 94.1,19.22
  Bottom w0.2: Q1.1 46.46,57.49 49.45,54.5 49.45,40.98 50.08,40.35 v2(51.82,40.35) 51.8,40.33 ; 49.45,43.3 50.05,43.9 58.92,43.9 61.02,41.8 69.5,41.8 v2(69.68,41.62)
  Bottom w0.25: v2(92.59,59.16) 93.75,58 93.75,30.25 97.48,26.52 J5.1
GND: length 38.2
  Top w0.2: U5.6 18.45,21.4 18.95,21.9 ; C13.2 80.45,30.3 79.9,29.75 ; U6.6 79.4,29.25 79.9,29.75 ; U9.13 74.55,41.33 v2(74.81,41.06) ; C1.2 19.08,22.03 18.95,21.9 ; U5.1 v2(14.06,18.61) ; 79.9,29.75 U6.7 ; 18.95,21.9 U5.7 ; v2(77.7,44.65) U9.18 ; v2(57.35,44.65) U2.18
  Top w0.25: U2.29 U2.18 ; U2.29 54.68,43.65 U2.13 ; U2.29 53.18,45.15 U2.3 ; U9.29 74.55,43.65 U9.13 ; U9.29 U9.18 ; U9.29 73.05,45.15 U9.3
  vias: v2(17.8,22.65) v2(61.6,38.2) v2(64.2,47.8) v2(66.9,31.9) v2(67.7,42.5) v2(71.1,47.2) v2(71.7,25.4) v2(78.8,26.9) v2(79.1,32) v2(81,21.5) v2(81.4,39.8) v2(85.2,45.3)
VBAT: length 125.3
  Top w0.2: U2.28 52.18,48 46.12,54.05 19.64,54.05 19.64,54.09 19.82,54.27
  Top w0.25: U2.22 55.18,48.33 C10.1 ; C5.1 72.05,48.38 U9.28 ; U9.22 75.05,48.33 C6.1 ; C23.1 52.18,48.33 U2.28
  Top w0.7: v1(71.47,50.66) C9.1 ; v1(71.47,50.66) 71.47,49.92 71.78,49.62 C5.1 ; v1(71.47,50.66) 67.49,50.66 65.68,48.85 65.68,45.22 ; C9.1 60.31,50.6 ; C9.1 v1(55.81,50.66) 55.81,50.14 55.47,49.8 C10.1 ; C6.1 75.38,49.55 75.65,49.83 75.65,50.65 v1(75.66,50.66) ; 94.78,38.18 94.78,38.17 C21.1 87.75,38.17 U7.3 87.7,47.53 84.56,50.66 C4.1 v1(75.66,50.66) ; C23.1 51.88,49.72 51.6,50 v1(51.6,50.66) 48.49,50.66 46.62,48.8 C7.1 ; v1(75.66,50.66) 75.68,50.65 75.93,50.65 ; v1(75.66,50.66) 75.62,50.62 ; 55.72,50.6 55.66,50.66
  Bottom w0.7: v1(71.47,50.66) v1(75.66,50.66) ; v1(51.6,50.66) v1(55.81,50.66)
/BTN_0: length 95.3
  Top w0.2: U3.39 56.34,2.71 54.32,0.7 26.03,0.7 6.53,20.2 4.12,20.2 2.92,21.4 2.92,35.67 6.2,38.95 6.2,41.41 R13.1 6.25,43.38 SW1.2 SW1.2
/BTN_1: length 73.1
  Top w0.2: U3.38 56.35,3.98 53.47,1.1 26.2,1.1 6.15,21.15 C15.1 6.15,23.45 R14.1 6.19,23.51 SW5.2 SW5.2
/BTN_2: length 54
  Top w0.2: v2(68.25,16.65) 71.6,16.65 73.19,18.23 U3.15 ; v2(62.03,23.97) 56.4,29.6 51.28,29.6 44.47,36.4 C16.1 44.47,41.25 R15.1 44.53,43.28 SW6.2 SW6.2
  Bottom w0.2: v2(68.25,16.65) 68.25,17.75 v2(62.03,23.97)
/BTN_3: length 52.5
  Top w0.2: v2(68.1,15.42) 68.1,15.35 69.3,14.15 69.32,14.15 72.4,11.08 72.4,6.1 73.25,5.25 U3.4 ; v2(44.47,20.78) C17.1 44.47,23.42 R16.1 44.5,25.4 SW7.2 SW7.2
  Bottom w0.2: v2(44.47,20.78) 49.05,16.2 67.32,16.2 v2(68.1,15.42)
/BUZZER: length 57.7
  Top w0.2: U3.12 73.97,15.41 73.32,16.05 67.36,16.05 63.85,12.54 63.84,12.54 v2(60.65,9.35) ; BZ1.1 22.83,8.92 24.15,7.6 31.74,7.6 31.77,7.62 32.68,7.62 32.71,7.6 v2(44.4,7.6)
  Bottom w0.2: v2(60.65,9.35) 58.93,7.62 44.43,7.62 v2(44.4,7.6)
/CS_SD: length 44.8
  Top w0.2: v2(55.9,9.08) 55.91,9.06 U3.34
  Bottom w0.2: v2(55.9,9.08) 55.47,9.5 55.47,10.53 55.07,10.93 55.07,10.93 54.75,11.25 54.75,13.34 53.62,14.47 47.23,14.47 33.8,27.91 33.8,35.42 31.85,37.38 J3.1
/D+: length 22.8
  Top w0.2: 95.05,17.54 76.49,17.54 76.08,17.95 U3.14 ; J4.B6 95.4,17.56 95.57,17.39 95.57,16.77 95.36,16.56 J4.A6
/D-: length 22.8
  Top w0.2: U3.13 76.08,16.68 76.49,17.09 95.05,17.09 ; J4.B7 94.01,16.06 93.82,16.25 93.82,16.84 94.03,17.06 J4.A7
/DIAG_L: length 28
  Top w0.2: U3.25 60.49,20.11 63.09,22.72 63.09,31.89 53.68,41.31 U2.11
/DIAG_R: length 26.3
  Top w0.2: U3.21 65.56,27.98 73.55,35.96 U9.11
/DIR_L: length 30.7
  Top w0.2: U2.19 56.72,45.15 56.97,45.4 57.8,45.4 58.65,44.55 58.65,38.03 64.29,32.39 U3.22
/DIR_R: length 34.4
  Top w0.2: U3.18 69.38,20.2 66.76,22.81 66.76,27.48 78.57,39.29 78.57,44.88 78.18,45.28 76.78,45.28 76.65,45.15 U9.19
/INCR_A: length 24.5
  Top w0.2: v2(73.57,10.33) U3.8 ; R25.2 v2(53.12,6.55)
  Bottom w0.2: v2(73.57,10.33) 73.57,10.33 72.12,10.33 68.35,6.55 v2(53.12,6.55)
/INCR_B: length 25.2
  Top w0.2: 53.43,11.55 v2(55.65,11.55) R26.2 ; v2(73.6,11.55) 74.9,11.55 U3.9
  Bottom w0.2: v2(55.65,11.55) v2(73.6,11.55)
/INCR_BTN: length 47.4
  Top w0.2: v2(73.57,6.52) U3.5 ; v2(34.21,5.96) 33.65,6.53 SW8.S1 30.25,6.53 R17.1 28.65,6.55 C18.1
  Bottom w0.2: v2(34.21,5.96) 34.85,5.33 68.95,5.33 70.15,6.52 v2(73.57,6.52) 73.54,6.55
/INDEX_L: length 27.6
  Top w0.2: U3.24 61.75,20.13 63.5,21.87 63.5,32.06 54.18,41.38 U2.12
/INDEX_R: length 26.7
  Top w0.2: 66.84,19.2 66.84,20.14 65.97,21.01 65.97,27.81 74.05,35.9 U9.12
/LASER: length 67
  Top w0.2: v2(58.8,15.38) 59.12,15.05 59.12,8.6 58.31,7.79 U3.35
  Bottom w0.2: v2(58.8,15.38) 58.47,15.7 47.73,15.7 35,28.43 35,55.85 35.37,56.22 Q1.2
/MISO: length 31.3
  Top w0.2: U3.32 56.45,11.6 55.9,12.15 53.68,12.15 v2(53.42,12.41)
  Bottom w0.2: v2(53.42,12.41) 53.03,12.8 53.03,12.8 52.68,13.15 52.68,13.15 52.65,13.17 46.82,13.17 37.55,22.45 J3.7
/MOSI: length 41.7
  Top w0.2: v2(54.82,10.33) U3.33
  Bottom w0.2: v2(54.82,10.33) 54.35,10.81 54.35,13.18 53.45,14.08 47.07,14.08 33.37,27.78 33.37,33.33 31.82,34.88 J3.2
/Motor Driver_L/A1: length 14.3
  Top w0.25: 59.9,56.55 J1.2 57.18,54.58 55.43,54.58 54.18,53.33 U2.24
/Motor Driver_L/A2: length 17
  Top w0.25: v2(63.4,49.8) 63.4,48.58 60.97,46.15 U2.21
  Bottom w0.25: v2(63.4,49.8) J1.1
/Motor Driver_L/B1: length 11.5
  Top w0.25: U2.26 53.18,54.08 J1.3
/Motor Driver_L/B2: length 13.1
  Top w0.25: v2(50.05,47.35) 50.05,46.8 50.7,46.15 U2.1
  Bottom w0.25: J1.4 50.05,54.45 v2(50.05,47.35)
/Motor Driver_L/MS1_AD0: length 31.5
  Top w0.2: v2(52.34,35.69) 52,35.35 R3.1 52.03,34.57 SW2.4 ; U9.9 72.55,41.35 72.22,41.03 59.47,41.03 v2(59.25,40.8) ; v2(52.98,40.31) 52.68,40.61 U2.9
  Bottom w0.2: v2(59.25,40.8) 59.03,40.58 53.25,40.58 v2(52.98,40.31) 53.25,40.04 53.25,36.6 v2(52.34,35.69)
/Motor Driver_L/MS1_AD1: length 31.8
  Top w0.2: v2(59.91,40.34) 60.19,40.62 72.39,40.62 73.05,41.28 U9.10 ; v2(53.93,39.72) 53.93,40.22 53.18,40.97 U2.10 ; v2(53.5,35.6) 53.5,35.1 54,34.6 R2.1 54.57,34.59 SW2.3
  Bottom w0.2: v2(59.91,40.34) 59.74,40.17 54.38,40.17 v2(53.93,39.72) 53.93,36.03 v2(53.5,35.6)
/Motor Driver_R/A1: length 13.5
  Top w0.25: J2.2 76.95,54.65 75.38,54.65 74.05,53.32 U9.24
/Motor Driver_R/A2: length 17.6
  Top w0.25: 83.6,57.4 J2.1 ; U9.21 81.03,46.15 83.2,48.33 v2(83.2,49.75)
  Bottom w0.25: v2(83.2,49.75) J2.1
/Motor Driver_R/B1: length 11.6
  Top w0.25: J2.3 73.05,54.25 U9.26
/Motor Driver_R/B2: length 13.1
  Top w0.25: v2(70.05,47.33) 70.05,46.58 70.47,46.15 U9.1
  Bottom w0.25: J2.4 70.05,54.75 v2(70.05,47.33)
/SCL: length 147.3
  Top w0.2: U8.3 24.38,50.8 23.65,51.53 14.52,51.53 10.42,47.43 10.42,22.79 11.82,21.4 U5.13 ; v2(71.05,14.14) v2(73.55,14.14) U3.11 75.91,14.14 76.07,14.3 R1.2 ; U6.13 v2(70.12,29.25) ; U4.5 v2(70.12,34.47)
  Bottom w0.2: U8.3 24.38,48.27 34.2,38.45 34.2,28.1 47.43,14.88 53.78,14.88 54.51,14.15 71.04,14.15 v2(71.05,14.14) ; v2(70.12,34.47) v2(70.12,29.25) 70.12,17.22 73.21,14.14 v2(73.55,14.14)
/SCLK: length 32.9
  Top w0.2: v2(53.47,13.21) 53.81,12.87 U3.31
  Bottom w0.2: J3.5 33.2,27.38 46.9,13.67 53,13.67 v2(53.47,13.21)
/SD_DETECT: length 3.2
  Top w0.2: R22.2 v2(7.65,15.8)
  Bottom w0.2: v2(7.65,15.8) J3.SW
/SDA: length 153.5
  Top w0.2: R11.2 76.32,12.55 76,12.87 U3.10 v2(73.57,12.87) 71.43,12.87 v2(69.55,14.75) ; U8.4 26.92,50.83 25.8,51.95 14.38,51.95 10.03,47.6 10.03,22.62 11.75,20.9 U5.14 ; U6.14 70.51,28.75 69.96,28.2 v2(69.18,28.2) ; v2(69.18,34.47) U4.4
  Bottom w0.2: v2(73.57,12.87) 73.23,12.87 69.18,16.92 v2(69.18,28.2) v2(69.18,34.47) ; v2(69.55,14.75) 54.47,14.75 53.95,15.28 47.59,15.28 34.6,28.27 34.6,38.72 26.92,46.4 U8.4
/SPREAD: length 56.5
  Top w0.2: U2.7 50.55,43.15 50.32,42.92 v2(50.32,41.15) 50.32,40.2 51.47,39.05 55.37,39.05 57.56,36.86 ; v2(59.45,41.85) 59.88,41.42 68.53,41.42 70.25,43.15 U9.7 ; 59.22,19.2 59.22,20.17 62.69,23.64 62.69,31.72 57.56,36.86 ; 56.97,37.45 57.56,36.86
  Bottom w0.2: v2(50.32,41.15) 50.68,41.15 50.88,40.95 50.9,40.97 58.18,40.97 59.05,41.85 v2(59.45,41.85)
/STEP_L: length 28.4
  Top w0.2: U2.16 56.82,43.65 58.25,42.22 58.25,37.87 63.9,32.22 63.9,21 63.03,20.12 U3.23
/STEP_R: length 31.2
  Top w0.2: U9.16 76.85,43.65 77.93,42.58 77.93,39.21 66.37,27.65 66.37,21.91 68.1,20.17 U3.19
/VREF: length 30.6
  Top w0.2: v2(71.07,40.03) U4.1 ; U2.17 56.89,44.15 57.74,43.3 v2(58.05,43.3) ; U9.17 77.28,44.15 77.97,43.45 v2(77.97,43.4)
  Bottom w0.2: v2(77.97,43.4) 78.25,43.12 78.25,41.58 76.7,40.03 v2(71.07,40.03) 62.22,40.03 58.95,43.3 v2(58.05,43.3)
/~{EN}: length 64.3
  Top w0.2: U3.17 70.65,20.16 67.16,23.64 67.16,27.22 79.18,39.22 v2(79.18,39.67) ; v2(50.2,45.77) 50.32,45.65 U2.2 ; v2(69.45,45.4) 69.7,45.65 U9.2
  Bottom w0.2: v2(79.18,39.67) 79.18,40.17 78.65,40.7 78.65,44.55 77.8,45.4 v2(69.45,45.4) 68.47,46.38 50.8,46.38 v2(50.2,45.77)
Net-(BT1-+): length 5.6
  Top w1: 94.78,40.26 94.78,42.06 BT1.1
Net-(C26-Pad1): length 5.3
  Top w0.2: C26.1 48.78,9.9 R18.2 ; R18.2 46.75,11.55 SW8.B ; R18.2 50.32,11.55
Net-(C27-Pad1): length 5.3
  Top w0.2: R19.2 50.32,6.55 ; R19.2 46.75,6.55 SW8.A ; R19.2 48.78,4.92 C27.1
Net-(D1-A): length 1.6
  Top w0.2: D1.2 R12.1
Net-(D3-A): length 1.6
  Top w0.2: D3.2 R21.1
Net-(D4-A): length 1.6
  Top w0.2: D4.2 R22.1
Net-(D5-A): length 1.5
  Top w0.2: R23.1 D5.2
Net-(D6-A): length 1.5
  Top w0.2: R24.1 D6.2
Net-(J6-Pin_1): length 19.7
  Top w0.3: J7.1 31.35,54.95 31.5,54.95 ; Q1.3 31.5,54.95 ; 31.5,54.95 22.8,54.95 J6.1
Net-(U2-BRA): length 5.9
  Top w0.25: U2.23 54.68,52.62 54.93,52.88
Net-(U2-BRB): length 6.1
  Top w0.25: U2.27 52.68,52.58 R5.1 52.45,52.85 52.6,52.7
Net-(U2-CPI): length 3.1
  Top w0.2: C8.2 48.53,44.15 U2.5
Net-(U2-CPO): length 3.5
  Top w0.2: U2.4 49.57,44.65 C8.1
Net-(U2-VCP): length 4.6
  Top w0.2: U2.6 C7.2
Net-(U3-EN): length 9.5
  Top w0.2: SW3.2 SW3.2 78.7,3.92 78.68,3.95 77.05,3.95 C12.1 74.96,3.97 U3.3
Net-(U3-IO0): length 9.5
  Top w0.2: SW4.2 SW4.2 R10.2 53.72,17.95 C11.1 U3.27
Net-(U3-IO6): length 2.1
  Top w0.2: U3.6 75.91,7.79 76.2,7.5 R12.2
Net-(U3-IO7): length 2.1
  Top w0.2: R21.2 76.25,9.3 76.01,9.06 U3.7
Net-(U9-BRA): length 5.7
  Top w0.25: U9.23 74.55,52.85
Net-(U9-BRB): length 5.8
  Top w0.25: 72.55,52.88 U9.27
Net-(U9-CPI): length 3.9
  Top w0.2: C25.2 67.57,44.15 U9.5
Net-(U9-CPO): length 4.4
  Top w0.2: U9.4 68.62,44.65 C25.1
Net-(U9-VCP): length 5.4
  Top w0.2: U9.6 65.7,43.65 C24.2

## Copper pours and planes (outline as drawn; the poured copper is in the pictures)
GND on Top, Bottom: -2,-2 -2,64 104,64 104,-2

## Text on the board
B.Silkscreen: KYU50 | APATWEKAR70 | RT EV 2025 | STUY SCIOLY
F.Silkscreen: STUY SCIOLY | 2025 | BETER | RST | 3V3 | 5V
